# Altium PCB MB1428.PcbDoc (part 7 of 7)
Units mm, origin at the board's own origin, x right, y up, seen from the top; angles counter-clockwise.
Board outline 55.88 x 152.4 mm, 4 copper layers (Top Layer, Signal Layer 1, Signal Layer 2, Bottom Layer), stack 1.614 mm thick; 396 components, 227 nets, 1346 pads, 1469 vias.
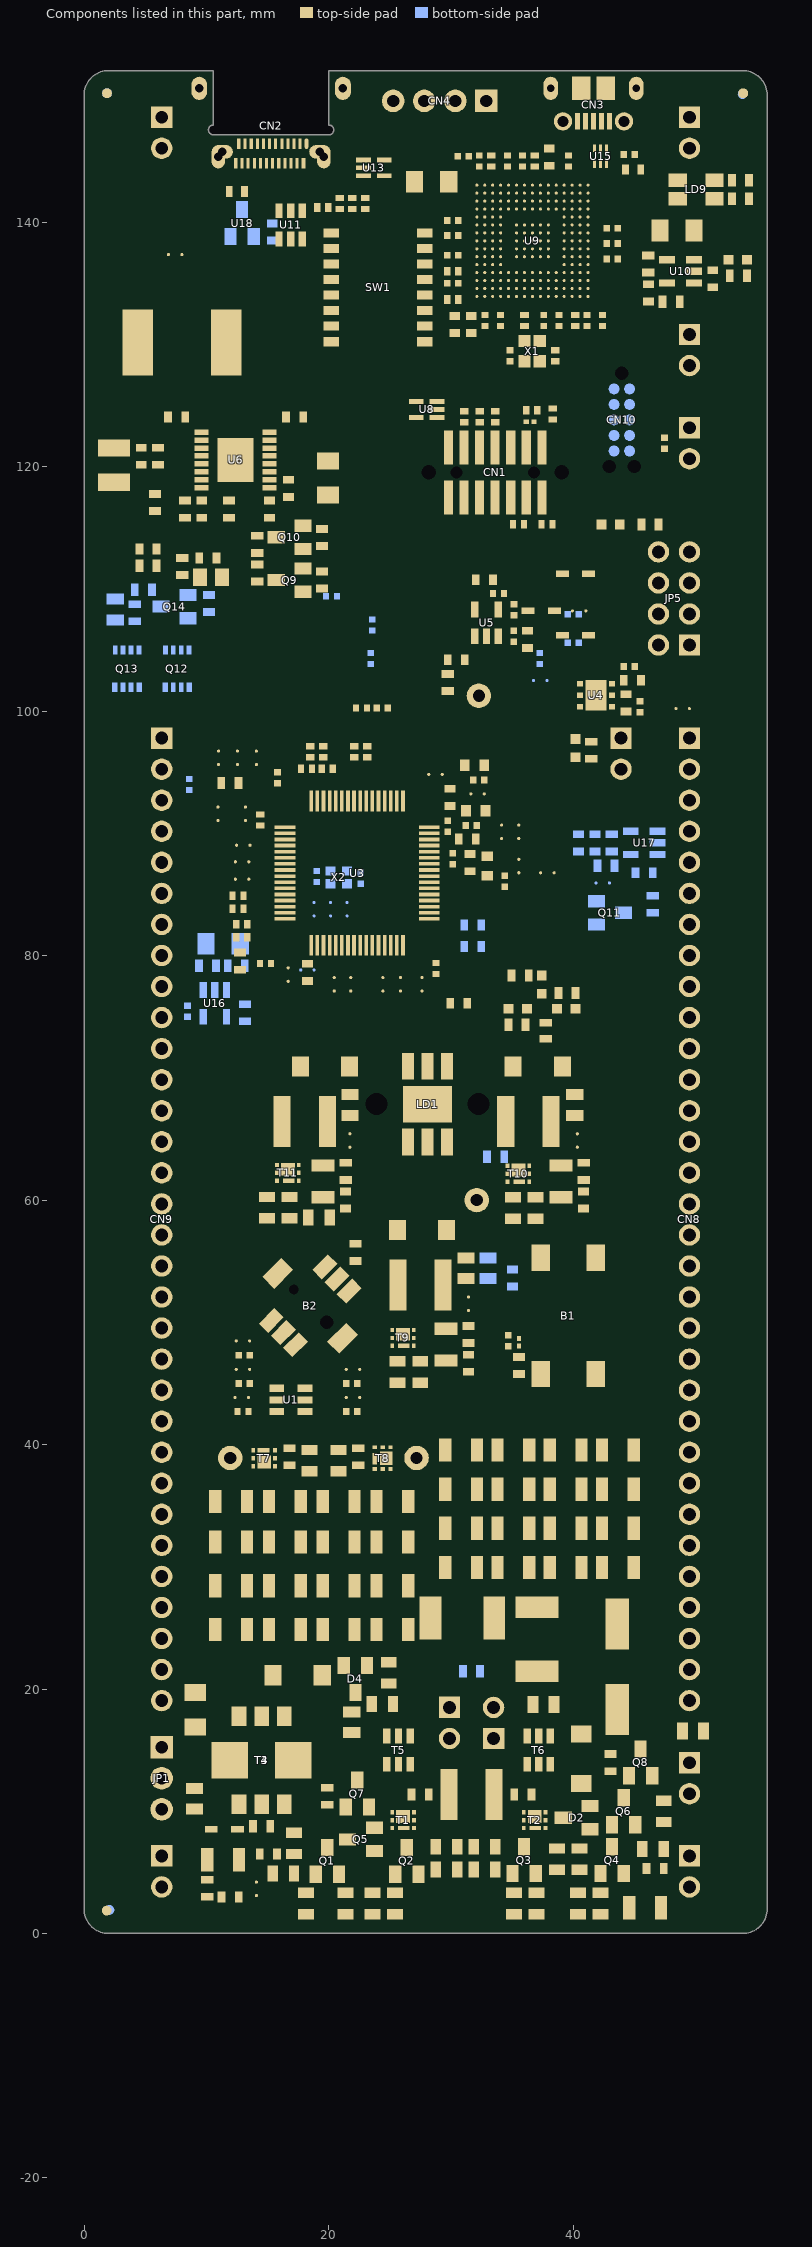
[diagram p9: the components of this part, seen from the top]

## Other copper (continued)
Signal Layer 2:
  text "3" at 6.895,140.09 h2.5
Bottom Layer:
  text "4" at 8.895,140.09 h2.5
Multi-Layer:
  pour cut-out: 1.395,142.34 1.395,139.34 9.895,139.34 9.895,142.34

## Silkscreen, mask and mechanical layers (free items; w line width, h text height)
Top Overlay:
  drawing of 466 lines, arcs and shapes, not listed
  text "3V3_STLK" at 31.8,151.4 h1.2
  text "USB / STLK" at 46.3,150.225 h1.2
  text "CN12" at 4.3,150.2 h1.5
  text "CN11" at 49.575,150.2 h1.5
  text "GND" at 51.325,148.15 h1.5
  text "GND" at 1.9,148.1 h1.5
  text "SWD" at 27.475,147.45 h1.5
  text "USB / TYPE-C" at 21.175,147.275 h1.2
  text "GND" at 51.325,145.675 h1.5
  text "GND" at 1.925,145.575 h1.5
  text "COM" at 51.75,138.85 h1.5
  text "PWREXT" at 10.65,138.675 h1.2
  text "VCCAIN" at 11.15,137.55 h1.2
  text "GNDDET" at 14.65,136.125 h1.2
  text "TVCP_RX" at 14.25,134.9 h1.2
  text "TVCP_TX" at 14.375,133.625 h1.2
  text "OC" at 52.275,132.525 h1.5
  text "TSWO" at 16.025,132.375 h1.2
  text "TSWCLK" at 14.75,131.075 h1.2
  text "TSWIO" at 15.775,129.85 h1.2
  text "TNRST" at 43.125,129.05 h1.5
  text "OFF" at 18.875,127.375 h1.5
  text "H" at 23.625,127.375 h1.5
  text "L" at 23.65,125.95 h1.5
  text "ON" at 19.475,125.775 h1.5
  text "CN10" at 42.35,123.325 h1.5
  text "GND" at 51.325,123 h1.5
  text "STLK" at 51.35,120.575 h1.5
  text "NRST" at 51.35,119.4 h1.5
  text "DEBUG" at 26.825,117.275 h1.5 r90
  text "STDC14" at 26.275,113.7 h1.5
  text "5V" at 43.675,112.825 h1.5
  text "CHGR" at 51.275,112.65 h1.5
  text "USBC" at 51.275,110.15 h1.5
  text "E5V" at 51.25,107.625 h1.5
  text "STLK" at 51.2,105 h1.5
  text "5V_SEL" at 50.375,102.45 h1.5
  text "E" at 1.05,101.65 h15
  text "J" at 11.25,100.775 h19
  text "RC Sinus" at 33.775,100.625 h1.5
  text "MB1428B" at 11.725,99.85 h2.5
  text "CN8" at 50.55,99.525 h1.5
  text "CN9" at 5.025,99.35 h1.5
  text "3V3" at 45.625,97.45 h1.2
  text "5V_I" at 1.75,97.375 h1.5
  text "3V3_O" at 51.3,97.35 h1.5
  text "3V3" at 36.925,96.45 h1.5
  text "GND" at 1.725,94.825 h1.5
  text "VDD" at 45.5,94.825 h1.2
  text "GND" at 51.25,94.725 h1.5
  text "5V_O" at 1.175,92.25 h1.5
  text "VDD" at 51.3,92.25 h1.5
  text "IDD" at 42.85,91.2 h1.5
  text "PA8" at 1.975,89.8 h1.5
  text "AGND" at 51.3,89.725 h1.5
  text "VREF" at 51.25,87.2 h1.5
  text "PA9" at 1.95,87.15 h1.5
  text "PA10" at 1.125,84.7 h1.5
  text "VREFP" at 51.15,84.6 h1.5
  text "AVDD" at 51.2,82.125 h1.5
  text "PA11" at 1.275,82.1 h1.5
  text "PA12" at 1.15,79.6 h1.5
  text "PC9" at 51.175,79.525 h1.5
  text "K" at 39.275,79 h14
  text "PC8" at 51.225,77.075 h1.5
  text "PA13" at 1.075,77 h1.5
  text "PC7" at 51.225,74.45 h1.5
  text "PA14" at 1.125,74.4 h1.5
  text "PC6" at 51.225,71.975 h1.5
  text "PA15" at 1.125,71.95 h1.5
  text "GREEN" at 40.625,70.5 h1.5
  text "BLUE" at 12.975,70.4 h1.5
  text "PB15" at 51.275,69.45 h1.5
  text "PC10" at 1.15,69.425 h1.5
  text "PB14" at 51.25,66.95 h1.5
  text "PC11" at 1.15,66.9 h1.5
  text "PB13" at 51.25,64.4 h1.5
  text "PC12" at 1.15,64.325 h1.5
  text "PB12" at 51.25,61.8 h1.5
  text "PD2" at 1.75,61.775 h1.5
  text "RGB LED" at 24.725,60.325 h1.5
  text "PB3" at 1.775,59.2 h1.5
  text "PB11" at 51.275,59.2 h1.5
  text "PB4" at 1.775,56.725 h1.5
  text "PB10" at 51.25,56.725 h1.5
  text "V_LED" at 30.525,56.325 h1.5
  text "PB2" at 51.25,54.275 h1.5
  text "JOYSTICK" at 8,54.25 h1.5
  text "PB5" at 1.825,54.175 h1.5
  text "PB1" at 51.275,51.75 h1.5
  text "PB6" at 1.9,51.575 h1.5
  text "PB0" at 51.25,49.175 h1.5
  text "PB7" at 1.9,49 h1.5
  text "PC5" at 51.25,46.6 h1.5
  text "PB8" at 1.925,46.475 h1.5
  text "PC4" at 51.25,44.075 h1.5
  text "PB9" at 1.95,43.975 h1.5
  text "RESET" at 37.625,42.8 h1.5
  text "RED" at 29.95,42.575 h1.5
  text "PA7" at 51.275,41.65 h1.5
  text "PC13" at 1.05,41.425 h1.5
  text "PA6" at 51.3,39.075 h1.5
  text "PC14" at 1.1,38.9 h1.5
  text "PC15" at 1.125,36.375 h1.5
  text "PA5" at 51.325,36.375 h1.5
  text "PA4" at 51.325,33.875 h1.5
  text "PF0" at 2.05,33.825 h1.5
  text "PA3" at 51.325,31.275 h1.5
  text "PF1" at 2.025,31.25 h1.5
  text "PA2" at 51.325,28.8 h1.5
  text "PC0" at 1.975,28.725 h1.5
  text "PA1" at 51.325,26.275 h1.5
  text "PC1" at 2.1,26.175 h1.5
  text "PA0" at 51.425,23.7 h1.5
  text "TNRST" at 0.275,23.6 h1.5
  text "PC2" at 1.95,21.125 h1.5
  text "PC3" at 51.4,21.125 h1.5
  text "GND" at 51.275,18.55 h1.5
  text "GND" at 1.65,18.525 h1.5
  text "USBPD" at 0.325,14.75 h1.5
  text "VOUT" at 51.5,13.5 h1.5
  text "VIN" at 2.125,12.25 h1.5
  text "GND" at 51.55,10.9 h1.5
  text "GND" at 1.675,9.625 h1.5
  text "CN7" at 51.225,8.525 h1.5
  text "GND" at 1.525,5.925 h1.5
  text "GND" at 51.3,5.925 h1.5
  text "GND" at 51.3,3.4 h1.5
  text "GND" at 1.675,3.35 h1.5
  text "CN5" at 50.225,1.275 h1.5
  text "CN6" at 5,1.2 h1.5
Bottom Overlay:
  drawing of 288 lines, arcs and shapes, not listed
  text "GND" at 4.475,148.25 h1.5
  text "GND" at 54.175,148.175 h1.5
  text "CN4" at 26.625,147.05 h1.5
  text "GND" at 54.125,145.6 h1.5
  text "CN3" at 42.825,145.575 h1.5
  text "GND" at 4.45,145.55 h1.5
  text "CN2" at 22.1,142.425 h1.5
  text "3V3_STLK" at 32.45,141.675 h1.5 r270
  text "JP7" at 50.8,132.425 h1.5
  text "TNRST" at 55.475,128.925 h1.5
  text "TAG" at 39.525,125.525 h1.5
  text "GND" at 54.175,122.725 h1.5
  text "STLK" at 54.45,120.725 h1.5
  text "NRST" at 54.625,119.45 h1.5
  text "JP6" at 50.8,117.875 h1.5
  text "CN1" at 30.575,115.125 h1.5
  text "CHGR" at 55.225,112.675 h1.5
  text "5V" at 45.1,112.65 h1.5
  text "USBC" at 54.9,110.05 h1.5
  text "E5V" at 54.325,107.4 h1.5
  text "STLK" at 54.75,104.875 h1.5
  text "Double / Switch" at 14.25,104.075 h1.5
  text "JP5" at 45.225,104.05 h1.5
  text "TP4" at 33.5,102.8 h1.5
  text "JP4" at 45.075,99.45 h1.5
  text "RC Sinus" at 35.025,98.65 h1.5
  text "5V_I" at 3.925,97.45 h1.5
  text "3V3" at 42.275,97.45 h1.5
  text "3V3_O" at 55.3,97.375 h1.5
  text "IDD" at 45.85,95.475 h1.5 r270
  text "GND" at 3.95,94.9 h1.5
  text "VDD" at 42.275,94.85 h1.5
  text "GND" at 55.35,94.75 h1.5
  text "5V_O" at 4.5,92.325 h1.5
  text "VDD" at 55.3,92.275 h1.5
  text "PA8" at 3.7,89.875 h1.5
  text "AGND" at 55.3,89.75 h1.5
  text "VREF PWR" at 38.55,88.725 h1.5
  text "PA9" at 3.725,87.225 h1.5
  text "VREF" at 55.35,87.225 h1.5
  text "PA10" at 4.55,84.775 h1.5
  text "VREFP" at 55.45,84.625 h1.5
  text "HSE CLK" at 29.35,83.8 h1.5
  text "PA11" at 4.4,82.175 h1.5
  text "AVDD" at 55.4,82.15 h1.5
  text "PA12" at 4.525,79.675 h1.5
  text "PC9" at 55.425,79.55 h1.5
  text "PC8" at 55.375,77.1 h1.5
  text "PA13" at 4.6,77.075 h1.5
  text "PA14" at 4.55,74.475 h1.5
  text "PC7" at 55.375,74.475 h1.5
  text "PA15" at 4.55,72.025 h1.5
  text "PC6" at 55.375,72 h1.5
  text "USB Detach" at 17.675,71.8 h1.5
  text "PC10" at 4.525,69.5 h1.5
  text "PB15" at 55.325,69.475 h1.5
  text "PC11" at 4.525,66.975 h1.5
  text "PB14" at 55.35,66.975 h1.5
  text "RGB LED" at 31.175,64.9 h1.5
  text "PB13" at 55.35,64.425 h1.5
  text "PC12" at 4.525,64.4 h1.5
  text "PD2" at 3.925,61.85 h1.5
  text "PB12" at 55.35,61.825 h1.5
  text "TP3" at 30.4,59.575 h1.5
  text "PB3" at 3.9,59.275 h1.5
  text "PB11" at 55.325,59.225 h1.5
  text "V_LED" at 34,57.475 h1.5
  text "PB4" at 3.9,56.8 h1.5
  text "PB10" at 55.35,56.75 h1.5
  text "PB2" at 55.35,54.3 h1.5
  text "PB5" at 3.85,54.25 h1.5
  text "PB1" at 55.325,51.775 h1.5
  text "PB6" at 3.775,51.65 h1.5
  text "PB0" at 55.35,49.2 h1.5
  text "PB7" at 3.775,49.075 h1.5
  text "C" at 41.65,46.7 h11
  text "PC5" at 55.35,46.625 h1.5
  text "PB8" at 3.75,46.55 h1.5
  text "I" at 28.65,45.25 h14
  text "PC4" at 55.35,44.1 h1.5
  text "PB9" at 3.725,44.05 h1.5
  text "PA7" at 55.325,41.675 h1.5
  text "PC13" at 4.625,41.5 h1.5
  text "PA6" at 55.3,39.1 h1.5
  text "PC14" at 4.575,38.975 h1.5
  text "TP1" at 15.925,38.525 h1.5
  text "TP2" at 31.325,38.375 h1.5
  text "H" at 44.675,36.85 h20
  text "PC15" at 4.55,36.45 h1.5
  text "PA5" at 55.275,36.4 h1.5
  text "PF0" at 3.625,33.9 h1.5
  text "PA4" at 55.275,33.9 h1.5
  text "PF1" at 3.65,31.325 h1.5
  text "PA3" at 55.275,31.3 h1.5
  text "PA2" at 55.275,28.825 h1.5
  text "PC0" at 3.7,28.8 h1.5
  text "PA1" at 55.275,26.3 h1.5
  text "PC1" at 3.575,26.25 h1.5
  text "PA0" at 55.175,23.725 h1.5
  text "TNRST" at 4.7,23.65 h1.5
  text "PC2" at 3.725,21.2 h1.5
  text "PC3" at 55.2,21.15 h1.5
  text "JP2" at 30.175,20.25 h1.5
  text "JP3" at 35.8,20.175 h1.5
  text "GND" at 4.025,18.6 h1.5
  text "GND" at 55.325,18.575 h1.5
  text "F" at 42.9,16.95 h11
  text "G" at 23.4,16.6 h12
  text "USBPD" at 4.65,14.875 h1.5
  text "IBB" at 28.075,14.825 h1.5
  text "IBB" at 37.4,14.825 h1.5
  text "VOUT" at 55,13.525 h1.5
  text "JP1" at 10.175,12.325 h1.5
  text "VIN" at 4.375,12.25 h1.5
  text "GND" at 54.05,10.875 h1.5
  text "GND" at 4.4,9.725 h1.5
  text "GND" at 4.55,5.9 h1.5
  text "GND" at 54.1,5.825 h1.5
  text "GND" at 4.575,3.375 h1.5
  text "GND" at 54.1,3.275 h1.5
Top Solder:
  rectangle: 1.645,139.59 9.645,142.09
Bottom Solder:
  rectangle: 1.645,139.59 9.645,142.09
M1-Board Shape:
  the board outline again, w0.1
M5-Top Constraints:
  lines w0.2: 64.139,8.469 266.95,8.469 ; 64.139,14.944 64.139,20.194 267.1,20.194 267.1,14.975 ; 64.139,26.654 267.1,26.654 ; 64.139,30.169 266.95,30.169 ; 64.139,36.644 64.139,41.894 267.1,41.894 267.1,36.675 ; 64.164,4.569 266.975,4.569 ; 64.714,39.344 85.675,39.344 ; 64.889,16.694 89.889,16.694 ; 84.639,1.125 84.639,14.969 ; 84.639,23.129 84.639,36.669 ; 105.139,1.125 105.139,14.969 ; 105.139,23.129 105.139,36.669 ; 125.639,1.125 125.639,14.969 ; 125.639,23.129 125.639,36.669 ; 146.139,1.125 146.139,14.969 ; 146.139,23.129 146.139,36.669 ; 171.4,1.15 171.4,14.969 146.139,14.969 ; 171.4,23.129 171.4,36.669 146.139,36.669 ; 196.65,1.1 196.65,14.969 171.389,14.969 ; 196.65,23.129 196.65,36.669 171.389,36.669 ; 221.925,14.969 196.664,14.969 ; 221.925,36.669 196.664,36.669 ; 221.939,1.125 221.939,14.969 238.939,14.969 ; 221.939,23.129 221.939,36.669 238.939,36.669 ; 238.939,1.1 238.939,14.969 ; 238.939,23.129 238.939,36.669 ; 255.939,1.075 255.939,14.969 ; 255.939,23.129 255.939,36.669 ; 84.639,14.969 105.139,14.969 ; 84.639,14.969 64.139,14.969 64.139,1.05 267.1,1.05 267.1,14.969 255.939,14.969 ; 84.639,36.669 105.139,36.669 ; 84.639,36.669 64.139,36.669 64.139,23.129 267.1,23.129 267.1,36.669 255.939,36.669 ; 105.139,14.969 105.139,14.969 ; 105.139,14.969 125.639,14.969 ; 105.139,36.669 105.139,36.669 ; 105.139,36.669 125.639,36.669 ; 125.639,14.969 146.139,14.969 ; 125.639,14.969 125.639,14.969 ; 125.639,36.669 146.139,36.669 ; 125.639,36.669 125.639,36.669 ; 146.139,14.969 146.139,14.969 ; 146.139,36.669 146.139,36.669 ; 171.389,14.969 171.389,14.969 ; 171.389,36.669 171.389,36.669 ; 196.664,14.969 196.664,14.969 ; 196.664,36.669 196.664,36.669 ; 238.939,14.969 255.939,14.969 ; 238.939,36.669 255.939,36.669
  text "IMPEDANCE TABLE    PIOxx & Others (MCO & NetR112_1 & NetR113_1 & NetR122_2 & NetSB23_2 & NetSB24_2 & PAxx & PBxx & PCxx & PDxx & PFxx & STLK_MCO & STLK_SWCLK &  /                                        STLK_SWDIO & STLK_VCP_RX & STLK_VCP_TX & T_NRST & T_SWCLK & T_SWCLKa & T_SWDIO & T_SWDIOa & T_SWOa & T_VCP_RX & T_VCP_TX)" at 64.7,36.925 h2.5
  text "IMPEDANCE" at 222.689,33.919 h3
  text "IMPEDANCE" at 239.689,33.919 h3
  text "LAYER" at 69.875,33.9 h3
  text "LAYER" at 90.375,33.9 h3
  text "TRACE" at 110.875,33.9 h3
  text "TOL." at 258.439,33.886 h3
  text "NET" at 133.025,33.775 h3
  text "SPACING" at 152.525,33.775 h3
  text "SPACING" at 177.775,33.775 h3
  text "SPACING" at 203.05,33.775 h3
  text "(Single ended)" at 223.189,31.169 h2.5
  text "(Differential)" at 240.939,31.169 h2.5
  text "\"GND mm\"" at 202.525,30.925 h3
  text "\"Ref GND\"" at 88.225,30.875 h3
  text "\"Width mm\"" at 108.725,30.875 h3
  text "\"Others Net mm\"" at 174.1,30.85 h3
  text "\"Routing\"" at 68.45,30.775 h3
  text "\"Intra Diff. Pair mm\"" at 147.125,30.775 h3
  text "\"Lenght mm\"" at 128.1,30.6 h3
  text "L2 (Sig_Lay1)" at 86.45,27.625 h3
  text "L1 (Top_Lay)" at 66.5,27.575 h3
  text "0.212 Min." at 177.9,27.475 h3
  text "0.120" at 111.6,27.45 h3
  text "n/a" at 156.7,27.425 h3
  text "Minimum" at 130.6,27.4 h3
  text "n/a" at 245.6,27.4 h3
  text "+/- 10%" at 256.875,27.4 h3
  text "55 Ohms" at 224.55,27.375 h3
  text "0.212 Min." at 202.95,27.325 h3
  text "L3 (Sig_Lay2)" at 86.45,24.1 h3
  text "L4 (Bot_Lay)" at 66.5,24.05 h3
  text "0.212 Min." at 177.9,23.95 h3
  text "0.120" at 111.6,23.925 h3
  text "n/a" at 156.7,23.9 h3
  text "Minimum" at 130.6,23.875 h3
  text "n/a" at 245.6,23.875 h3
  text "+/- 10%" at 256.875,23.875 h3
  text "55 Ohms" at 224.55,23.85 h3
  text "0.212 Min." at 202.95,23.8 h3
  text "IMPEDANCE TABLE    USB  (D & USBPDFS_D & USB_DEV_HS_CN & USB_DEV_HS )" at 64.889,17.194 h3
  text "LAYER" at 69.875,12.2 h3
  text "LAYER" at 90.375,12.2 h3
  text "TRACE" at 110.875,12.2 h3
  text "IMPEDANCE" at 222.689,12.219 h3
  text "IMPEDANCE" at 239.689,12.219 h3
  text "TOL." at 258.439,12.186 h3
  text "NET" at 133.025,12.075 h3
  text "SPACING" at 152.525,12.075 h3
  text "SPACING" at 177.775,12.075 h3
  text "SPACING" at 203.05,12.075 h3
  text "(Single ended)" at 223.189,9.469 h2.5
  text "(Differential)" at 240.939,9.469 h2.5
  text "\"GND mm\"" at 202.525,9.225 h3
  text "\"Ref GND\"" at 88.225,9.175 h3
  text "\"Width mm\"" at 108.725,9.175 h3
  text "\"Others Net mm\"" at 174.1,9.15 h3
  text "\"Routing\"" at 68.45,9.075 h3
  text "\"Intra Diff. Pair mm\"" at 147.125,9.075 h3
  text "\"Lenght mm\"" at 128.1,8.9 h3
  text "L1 (Top_Lay)" at 66.675,5.65 h3
  text "L2 (Sig_Lay1)" at 86.5,5.6 h3
  text "0.160" at 111.475,5.575 h3
  text "90 Ohms" at 242.15,5.5 h3
  text "+/- 10%" at 256.969,5.504 h3
  text "0.226 Min." at 177.875,5.45 h3
  text "0.452 Min." at 203.425,5.425 h3
  text "n/a" at 228.575,5.375 h3
  text "Minimum" at 131.2,5.35 h3
  text "0.226" at 155.775,5.35 h3
  text "L4 (Bot_Lay)" at 66.625,2 h3
  text "L3 (Sig_Lay2)" at 86.475,1.9 h3
  text "+/- 10%" at 256.969,1.854 h3
  text "0.160" at 111.475,1.825 h3
  text "90 Ohms" at 242.2,1.825 h3
  text "0.226 Min." at 177.875,1.8 h3
  text "0.452 Min." at 203.425,1.775 h3
  text "n/a" at 228.575,1.725 h3
  text "Minimum" at 131.2,1.7 h3
  text "0.226" at 155.775,1.7 h3
Drill Drawing:
  drawing of 458 lines, arcs and shapes, not listed
  text "THE COMPONENTS WITH PLATED THROUGH HOLE (PTH) MAY BE WELDED (CABLED) IN \"PIN-IN-PASTE\" MODE (IF NECESSARY)" at -22.375,202.475 h5
  text "PCB SPECIFICATIONS :" at -15.405,197.305 h3
  text "PCB : TYPE 3" at 132.351,196.903 h3
  text "A.   MATERIAL :" at -15.405,193.305 h3
  text "FR-4" at 23.095,193.305 h3
  text "X  TG-170" at 39.595,193.305 h3
  text "TG-150" at 57.845,193.305 h3
  text "TG-140" at 73.845,193.305 h3
  text "ASPECT-RATIO, AXE Z :" at 132.351,191.403 h3
  text "B.   MATERIAL FAMILY :" at -15.405,190.305 h3
  text "N/A" at 23.095,190.305 h3
  text "C.   SOLDERMASK COLOR :" at -15.405,187.305 h3
  text "GREEN" at 23.095,187.305 h3
  text "WHITE" at 39.595,187.305 h3
  text "RED" at 57.845,187.305 h3
  text "X  BLUE" at 73.845,187.305 h3
  text "6:1 to 8:1 / LEVEL \"B\"" at 132.37,184.655 h3
  text "D.   SILKSCREEN COLOR :" at -15.405,184.305 h3
  text "X  WHITE" at 23.095,184.305 h3
  text "YELLOW" at 39.595,184.305 h3
  text "BLACK" at 57.845,184.305 h3
  text "Blue ink PANTONE 2955" at 73.845,184.305 h3
  text "E.   SURFACE FINISH :" at -15.405,181.305 h3
  text "X  ENIG" at 23.095,181.305 h3
  text "IMMERSION SILVER" at 39.595,181.305 h3
  text "IMMERSION TIN" at 73.845,181.305 h3
  text "HASL" at 23.095,178.305 h3
  text "HASL (PB-FREE)" at 39.595,178.305 h3
  text "GOLDEN FINGER" at 73.845,178.305 h3
  text "MINIMUM PARAMETERS" at 132.37,177.555 h3
  text "F.   IMPEDANCE CONTROL :" at -15.405,175.305 h3
  text "NO" at 23.095,175.305 h3
  text "X  YES  (SEE IMPEDANCE TABLE FOR DETAIL INFORMATION)" at 39.595,175.305 h3
  text "G.   THROUGH VIA :" at -15.405,172.305 h3
  text "PLUG THE VIAS WHICH ARE COVERED WITH SOLDERMASK ONE OR TWO SIDE." at 23.095,172.305 h3
  text "DEFAULT" at 132.37,172.055 h3
  text "PLUG MATERIAL :" at 23.095,169.305 h3
  text "X  SOLDERMASK" at 48.595,169.305 h3
  text "NON-CONDUCTIVE EPOXY." at 73.845,169.305 h3
  text "H.   STACK-UP :" at -15.405,166.305 h3
  text "SEE LAYER STACK-UP SEQUENCE FOR OVERALL THICKNESS." at 23.095,166.305 h3
  text "TRACKS : 0.120mm           / GAPS : 0.120mm" at 132.37,166.305 h3
  text "Layer" at 67.268,142.4 h2.5
  text "Name" at 77.733,142.4 h2.5
  text "Material" at 97.975,142.4 h2.5
  text "Thickness" at 116.164,142.4 h2.5
  text "Constant" at 131.105,142.4 h2.5
  text "Board Layer Stack" at 144.933,142.4 h2.5
  text "1" at 67.268,137.4 h2.5
  text "Top Overlay" at 77.733,137.4 h2.5
  text "2" at 67.268,132.4 h2.5
  text "Top Solder" at 77.733,132.4 h2.5
  text "Solder Resist" at 97.975,132.4 h2.5
  text "0,015mm" at 116.164,132.4 h2.5
  text "3,5" at 131.105,132.4 h2.5
  text "3" at 67.268,127.4 h2.5
  text "Top Layer" at 77.733,127.4 h2.5
  text "Copper" at 97.975,127.4 h2.5
  text "0,042mm" at 116.164,127.4 h2.5
  text "4" at 67.268,122.4 h2.5
  text "Dielectric 1" at 77.733,122.4 h2.5
  text "PP-IT-180A" at 97.975,122.4 h2.5
  text "0,106mm" at 116.164,122.4 h2.5
  text "4,2" at 131.105,122.4 h2.5
  text "5" at 67.268,117.4 h2.5
  text "Signal Layer 1" at 77.733,117.4 h2.5
  text "Copper" at 97.975,117.4 h2.5
  text "0,035mm" at 116.164,117.4 h2.5
  text "6" at 67.268,112.4 h2.5
  text "Dielectric 2" at 77.733,112.4 h2.5
  text "FR4" at 97.975,112.4 h2.5
  text "1,248mm" at 116.164,112.4 h2.5
  text "4,2" at 131.105,112.4 h2.5
  text "7" at 67.268,107.4 h2.5
  text "Signal Layer 2" at 77.733,107.4 h2.5
  text "Copper" at 97.975,107.4 h2.5
  text "0,035mm" at 116.164,107.4 h2.5
  text "8" at 67.268,102.4 h2.5
  text "Dielectric 3" at 77.733,102.4 h2.5
  text "PP-IT-180A" at 97.975,102.4 h2.5
  text "0,106mm" at 116.164,102.4 h2.5
  text "4,2" at 131.105,102.4 h2.5
  text "9" at 67.268,97.4 h2.5
  text "Bottom Layer" at 77.733,97.4 h2.5
  text "Copper" at 97.975,97.4 h2.5
  text "0,042mm" at 116.164,97.4 h2.5
  text "10" at 67.268,92.4 h2.5
  text "Bottom Solder" at 77.733,92.4 h2.5
  text "Solder Resist" at 97.975,92.4 h2.5
  text "0,015mm" at 116.164,92.4 h2.5
  text "3,5" at 131.105,92.4 h2.5
  text "11" at 67.268,87.4 h2.5
  text "Bottom Overlay" at 77.733,87.4 h2.5
  text "Symbol" at 67.163,76.315 h3
  text "Count" at 78.915,76.315 h3
  text "Hole Size" at 92.2,76.315 h3
  text "Plated" at 115.04,76.315 h3
  text "Hole Type" at 125.356,76.315 h3
  text "Drill Layer Pair" at 140.375,76.315 h3
  text "Via/Pad" at 168.843,76.315 h3
  text "Hole Length" at 181.149,76.315 h3
  text "Routed Path Length" at 205.232,76.315 h3
  text "1469" at 78.915,71.137 h2.5
  text "0,200mm (7,87mil)" at 92.2,71.137 h2.5
  text "PTH" at 115.04,71.137 h2.5
  text "Round" at 125.356,71.137 h2.5
  text "Top Layer - Bottom Layer" at 140.375,71.137 h2.5
  text "Via" at 168.843,71.137 h2.5
  text "-" at 181.149,71.137 h2.5
  text "-" at 205.232,71.137 h2.5
  text "2" at 78.915,65.96 h2.5
  text "0,600mm (23,62mil)" at 92.2,65.96 h2.5
  text "PTH" at 115.04,65.96 h2.5
  text "Slot" at 125.356,65.96 h2.5
  text "Top Layer - Bottom Layer" at 140.375,65.96 h2.5
  text "Pad" at 168.843,65.96 h2.5
  text "1,300mm (51,18mil)" at 181.149,65.96 h2.5
  text "0,700mm (27,56mil)" at 205.232,65.96 h2.5
  text "2" at 78.915,60.782 h2.5
  text "0,700mm (27,56mil)" at 92.2,60.782 h2.5
  text "PTH" at 115.04,60.782 h2.5
  text "Slot" at 125.356,60.782 h2.5
  text "Top Layer - Bottom Layer" at 140.375,60.782 h2.5
  text "Pad" at 168.843,60.782 h2.5
  text "1,300mm (51,18mil)" at 181.149,60.782 h2.5
  text "0,600mm (23,62mil)" at 205.232,60.782 h2.5
  text "2" at 78.915,55.605 h2.5
  text "0,700mm (27,56mil)" at 92.2,55.605 h2.5
  text "PTH" at 115.04,55.605 h2.5
  text "Slot" at 125.356,55.605 h2.5
  text "Top Layer - Bottom Layer" at 140.375,55.605 h2.5
  text "Pad" at 168.843,55.605 h2.5
  text "1,350mm (53,15mil)" at 181.149,55.605 h2.5
  text "0,650mm (25,59mil)" at 205.232,55.605 h2.5
  text "2" at 78.915,50.427 h2.5
  text "0,700mm (27,56mil)" at 92.2,50.427 h2.5
  text "PTH" at 115.04,50.427 h2.5
  text "Slot" at 125.356,50.427 h2.5
  text "Top Layer - Bottom Layer" at 140.375,50.427 h2.5
  text "Pad" at 168.843,50.427 h2.5
  text "1,500mm (59,06mil)" at 181.149,50.427 h2.5
  text "0,800mm (31,50mil)" at 205.232,50.427 h2.5
  text "1" at 78.915,45.25 h2.5
  text "0,800mm (31,50mil)" at 92.2,45.25 h2.5
  text "NPTH" at 115.04,45.25 h2.5
  text "Round" at 125.356,45.25 h2.5
  text "Top Layer - Bottom Layer" at 140.375,45.25 h2.5
  text "Pad" at 168.843,45.25 h2.5
  text "-" at 181.149,45.25 h2.5
  text "-" at 205.232,45.25 h2.5
  text "2" at 78.915,40.073 h2.5
  text "0,900mm (35,43mil)" at 92.2,40.073 h2.5
  text "PTH" at 115.04,40.073 h2.5
  text "Round" at 125.356,40.073 h2.5
  text "Top Layer - Bottom Layer" at 140.375,40.073 h2.5
  text "Pad" at 168.843,40.073 h2.5
  text "-" at 181.149,40.073 h2.5
  text "-" at 205.232,40.073 h2.5
  text "2" at 78.915,34.895 h2.5
  text "0,970mm (38,19mil)" at 92.2,34.895 h2.5
  text "NPTH" at 115.04,34.895 h2.5
  text "Round" at 125.356,34.895 h2.5
  text "Top Layer - Bottom Layer" at 140.375,34.895 h2.5
  text "Pad" at 168.843,34.895 h2.5
  text "-" at 181.149,34.895 h2.5
  text "-" at 205.232,34.895 h2.5
  text "11" at 78.915,29.718 h2.5
  text "1,000mm (39,37mil)" at 92.2,29.718 h2.5
  text "PTH" at 115.04,29.718 h2.5
  text "Round" at 125.356,29.718 h2.5
  text "Top Layer - Bottom Layer" at 140.375,29.718 h2.5
  text "Pad" at 168.843,29.718 h2.5
  text "-" at 181.149,29.718 h2.5
  text "-" at 205.232,29.718 h2.5
  text "92" at 78.915,24.54 h2.5
  text "1,050mm (41,34mil)" at 92.2,24.54 h2.5
  text "PTH" at 115.04,24.54 h2.5
  text "Round" at 125.356,24.54 h2.5
  text "Top Layer - Bottom Layer" at 140.375,24.54 h2.5
  text "Pad" at 168.843,24.54 h2.5
  text "-" at 181.149,24.54 h2.5
  text "-" at 205.232,24.54 h2.5
  text "4" at 78.915,19.363 h2.5
  text "1,100mm (43,31mil)" at 92.2,19.363 h2.5
  text "NPTH" at 115.04,19.363 h2.5
  text "Round" at 125.356,19.363 h2.5
  text "Top Layer - Bottom Layer" at 140.375,19.363 h2.5
  text "Pad" at 168.843,19.363 h2.5
  text "-" at 181.149,19.363 h2.5
  text "-" at 205.232,19.363 h2.5
  text "2" at 78.915,14.185 h2.5
  text "1,190mm (46,85mil)" at 92.2,14.185 h2.5
  text "NPTH" at 115.04,14.185 h2.5
  text "Round" at 125.356,14.185 h2.5
  text "Top Layer - Bottom Layer" at 140.375,14.185 h2.5
  text "Pad" at 168.843,14.185 h2.5
  text "-" at 181.149,14.185 h2.5
  text "-" at 205.232,14.185 h2.5
  text "2" at 78.915,9.008 h2.5
  text "1,800mm (70,87mil)" at 92.2,9.008 h2.5
  text "NPTH" at 115.04,9.008 h2.5
  text "Slot" at 125.356,9.008 h2.5
  text "Top Layer - Bottom Layer" at 140.375,9.008 h2.5
  text "Pad" at 168.843,9.008 h2.5
  text "3,800mm (149,61mil)" at 181.149,9.008 h2.5
  text "2,000mm (78,74mil)" at 205.232,9.008 h2.5
  text "1593 Total" at 78.915,3.831 h2.5
  text "Slot definitions :" at 67.163,0.206 h2.5
  text "Routed Path Length" at 84.224,0.206 h2.5
  text "= Calculated from tool start centre position to tool end centre position." at 105.36,0.206 h2.5
  text "Hole Length" at 84.224,-1.865 h2.5
  text "= Routed Path Length + Tool Size = Slot length as defined in the PCB layout" at 97.514,-1.865 h2.5

## Dimensions
0,150.4 to 55.88,150.4 on M2-Board Dimensions
20.025,152.4 to 2,0 on M2-Board Dimensions

## Text inside footprints (layer, text, board x,y; h text height)
B2: Top Overlay "1" at 14.682,48.804 h1.5 r45; M14-Top Assembly "6" at 21.894,52.092 h1.5 r45; M14-Top Assembly "5" at 20.904,53.082 h1.5 r45; M14-Top Assembly "4" at 19.897,54.055 h1.5 r45; M14-Top Assembly "3" at 17.369,47.567 h1.5 r45; M14-Top Assembly "2" at 16.379,48.557 h1.5 r45; M14-Top Assembly "1" at 15.477,49.6 h1.5 r45; M14-Top Assembly "8" at 21.075,48.2 h1.5 r315; M14-Top Assembly "7" at 15,54.425 h1.5 r315
CART-1: M20-Top Sheet Box "R" at 68.496,-21.533 h1.52; M20-Top Sheet Box "Rev: '.Board_PCB_Revision'" at 23.059,-24.05 h3; M20-Top Sheet Box "Ref: '.Board_Reference'" at 23.116,-19.05 h3; M20-Top Sheet Box "Date: '.Board_Document_Date'" at -17,-24.05 h3; M20-Top Sheet Box "Gerber:" at 22.989,-14.05 h3; M20-Top Sheet Box "Variant: '.VariantName'" at -17,-19.05 h3; M20-Top Sheet Box "Layer:" at -17,-14.05 h3; M20-Top Sheet Box "Project: '.Board_Name'" at -17,-8.966 h3; M21-Bottom Sheet Box "Date: '.Board_Document_Date'" at 70.806,-24.05 h3; M21-Bottom Sheet Box "Layer:" at 70.806,-14.05 h3; M21-Bottom Sheet Box "Variant: '.VariantName'" at 70.806,-19.05 h3; M21-Bottom Sheet Box "Project: '.Board_Name'" at 70.806,-8.966 h3; M21-Bottom Sheet Box "Rev: '.Board_PCB_Revision'" at 30.874,-24.05 h3; M21-Bottom Sheet Box "Ref: '.Board_Reference'" at 30.817,-19.05 h3; M21-Bottom Sheet Box "R" at -14.309,-21.533 h1.52; M21-Bottom Sheet Box "Gerber:" at 30.817,-14.05 h3
CN1: Top Overlay "14" at 38.035,122.075 h1.5; Top Overlay "13" at 38.035,116.025 h1.5; Top Overlay "2" at 28.61,122.05 h1.5; Top Overlay "1" at 28.91,116 h1.5; M14-Top Assembly "2" at 29.585,122.05 h1; M14-Top Assembly "14" at 37.01,122.025 h1; M14-Top Assembly "13" at 36.985,116.375 h1; M14-Top Assembly "1" at 29.685,116.325 h1
CN2: Top Overlay "B1" at 9.05,146.125 h1.3; Top Overlay "A1" at 17.05,143.35 h1.3; M14-Top Assembly "A12" at 12.125,144.65 h0.75; M14-Top Assembly "A1" at 18,144.7 h0.75; M14-Top Assembly "B1" at 12.25,146.175 h0.75; M14-Top Assembly "B12" at 17.475,146.3 h0.75; M7-Top Info "EDGE" at 9.225,153.175 h1 r180; M7-Top Info "PCB" at 23.8,153.175 h1 r180; Keep-Out Layer "BOARD  / OUTLINE / CUT OUT" at 17.175,151.3 h1 r180
CN3: Top Overlay "1" at 45.85,147.75 h1.5; M14-Top Assembly "1" at 42.75,147.9 h1.5; M14-Top Assembly "5" at 40.05,147.8 h1.5; M7-Top Info "EDGE" at 37.325,153.1 h1 r180; M7-Top Info "PCB" at 47.925,153.125 h1 r180
CN4: Top Overlay "1" at 34.5,149.6 h1.5; M14-Top Assembly "1" at 32.75,149.475 h1.5; M14-Top Assembly "4" at 25,149.525 h1.5
CN5: Bottom Overlay "1" at 47.95,5.85 h1.5; M15-Bottom Assembly "2" at 49.3,3.55 h1.5 r270; M15-Bottom Assembly "1" at 49.225,6.175 h1.5 r270
CN6: Bottom Overlay "1" at 8.3,5.825 h1.5; M15-Bottom Assembly "2" at 5.85,3.5 h1.5 r270; M15-Bottom Assembly "1" at 5.875,6.2 h1.5 r270
CN7: Bottom Overlay "1" at 47.925,13.5 h1.5; M15-Bottom Assembly "2" at 49.225,11.15 h1.5 r270; M15-Bottom Assembly "1" at 49.175,13.8 h1.5 r270
CN8: Bottom Overlay "1" at 47.9,97.3 h1.5; M15-Bottom Assembly "32" at 50.005,19.72 h1.5 r90; M15-Bottom Assembly "1" at 50.005,98.045 h1.5 r90
CN9: Bottom Overlay "1" at 8.35,97.35 h1.5; M15-Bottom Assembly "32" at 6.825,19.72 h1.5 r90; M15-Bottom Assembly "1" at 6.825,98.045 h1.5 r90
CN10: M15-Bottom Assembly "2" at 44.922,125.304 h1 r90; M15-Bottom Assembly "3" at 44.922,124.034 h1 r90; M15-Bottom Assembly "4" at 44.945,122.825 h1 r90; M15-Bottom Assembly "5" at 44.97,121.475 h1 r90; M15-Bottom Assembly "6" at 43.677,121.444 h1 r90; M15-Bottom Assembly "7" at 43.677,122.714 h1 r90; M15-Bottom Assembly "8" at 43.652,124.034 h1 r90; M15-Bottom Assembly "9" at 43.652,125.304 h1 r90; M15-Bottom Assembly "10" at 43.677,126.841 h1 r90; M15-Bottom Assembly "1" at 44.947,126.524 h1 r90
CN11: Bottom Overlay "1" at 47.925,148.075 h1.5; M15-Bottom Assembly "2" at 49.125,145.9 h1.5 r270; M15-Bottom Assembly "1" at 48.975,148.325 h1.5 r270
CN12: Bottom Overlay "1" at 8.25,148.05 h1.5; M15-Bottom Assembly "2" at 5.65,145.775 h1.5 r270; M15-Bottom Assembly "1" at 5.9,148.4 h1.5 r270
D1: M14-Top Assembly "K" at 9.925,7.65 h0.75
D2: M14-Top Assembly "3" at 39.35,9.325 h0.7 r90; M14-Top Assembly "2" at 41.725,10.275 h0.7 r90; M14-Top Assembly "1" at 41.725,8.425 h0.7 r90
D3: Top Overlay "K" at 39.725,16.825 h1.2 r90; M14-Top Assembly "A" at 40.9,12.225 h1 r90; M14-Top Assembly "K" at 40.925,16 h1 r90
D4: M14-Top Assembly "3" at 22.075,19.425 h0.7; M14-Top Assembly "2" at 21.1,21.775 h0.7; M14-Top Assembly "1" at 23.075,21.775 h0.7
D5: Top Overlay "K" at 14.425,19.425 h1.2; M14-Top Assembly "A" at 19.025,20.8 h1; M14-Top Assembly "K" at 15.375,20.8 h1
D6: Top Overlay "K" at 30.15,58.625 h1.2; M14-Top Assembly "A" at 25.5,57.275 h1; M14-Top Assembly "K" at 29.25,57.325 h1
D7: Top Overlay "K" at 22.2,71.95 h1.2; M14-Top Assembly "A" at 17.55,70.75 h1; M14-Top Assembly "K" at 21.3,70.625 h1
D8: Top Overlay "K" at 39.6,71.95 h1.2; M14-Top Assembly "A" at 35.05,70.65 h1; M14-Top Assembly "K" at 38.7,70.675 h1
D9: M14-Top Assembly "K" at 38.425,105.85 h1.2
D10: M14-Top Assembly "K" at 35.775,107.8 h1.2
D11: M14-Top Assembly "K" at 38.4,110.85 h1.2
JP1: Top Overlay "1" at 7.875,14.7 h1.5; M14-Top Assembly "1" at 5.85,15.43 h1.5 r270
JP2: Top Overlay "1" at 27.95,18 h1.5; M14-Top Assembly "1" at 30.5,18.4 h1.5 r90; M14-Top Assembly "2" at 30.225,15.75 h1.5 r90
JP3: Top Overlay "1" at 31.575,15.35 h1.5; M14-Top Assembly "1" at 34.008,15.701 h1.5 r90; M14-Top Assembly "2" at 34.008,18.177 h1.5 r90
JP4: Top Overlay "1" at 41.925,98.05 h1.5; M14-Top Assembly "1" at 44.375,97.65 h1.5 r90; M14-Top Assembly "2" at 44.45,95.025 h1.5 r90
JP5: Top Overlay "2" at 47.41,103.22 h1.5 r90; Top Overlay "1" at 50.01,103.47 h1.5 r90; M14-Top Assembly "7" at 50,112.713 h1.5 r90; M14-Top Assembly "8" at 47.473,112.713 h1.5 r90; M14-Top Assembly "2" at 47.485,105.08 h1.5 r90; M14-Top Assembly "1" at 50.038,105.156 h1.5 r90
JP6: Top Overlay "1" at 47.55,122.95 h1.5; M14-Top Assembly "1" at 49.95,122.95 h1.5 r90; M14-Top Assembly "2" at 49.975,120.45 h1.5 r90
JP7: Top Overlay "1" at 51.125,130.375 h1.5; M14-Top Assembly "1" at 49.875,130.725 h1.5 r90; M14-Top Assembly "2" at 49.9,127.95 h1.5 r90
LD1: M14-Top Assembly "1" at 26.4,65.45 h0.4; M14-Top Assembly "2" at 28,65.45 h0.4; M14-Top Assembly "3" at 29.65,65.45 h0.4; M14-Top Assembly "4" at 29.6,69.95 h0.4; M14-Top Assembly "5" at 28.025,69.95 h0.4; M14-Top Assembly "6" at 26.4,69.975 h0.4; M14-Top Assembly "7" at 28,67.7 h0.4
LD2: M14-Top Assembly "K" at 37.6,74.475 h0.4 r90; M14-Top Assembly "K" at 38.2,74.475 h0.4 r90
LD3: M14-Top Assembly "K" at 36.275,75.45 h0.75
LD4: M14-Top Assembly "K" at 38.175,75.425 h0.75
LD5: M14-Top Assembly "K" at 37.7,76.35 h0.75 r90
LD6: M14-Top Assembly "K" at 40.4,97.775 h0.75 r90
LD7: M14-Top Assembly "K" at 41.725,115.075 h0.75
LD8: M14-Top Assembly "K" at 52.225,136.7 h0.75
LD9: Top Overlay "R" at 49.6,143.75 h1.5 r270; Top Overlay "1" at 48.625,144.175 h1.5 r90; Top Overlay "G" at 49.6,142.425 h1.5 r270; M14-Top Assembly "C2" at 51,142.775 h0.75 r270; M14-Top Assembly "R" at 49.608,143.837 h1.5 r270; M14-Top Assembly "C1" at 48.15,144.15 h0.75 r270; M14-Top Assembly "G" at 49.6,142.35 h1.5 r270; M14-Top Assembly "A2" at 48.17,142.725 h0.75 r270; M14-Top Assembly "A1" at 51.025,144.175 h0.75 r270
Q12: Bottom Overlay "1" at 5.95,104.775 h1.3; M15-Bottom Assembly "8" at 6.75,102.1 h0.5; M15-Bottom Assembly "7" at 7.425,102.1 h0.5; M15-Bottom Assembly "6" at 8.025,102.1 h0.5; M15-Bottom Assembly "5" at 8.675,102.1 h0.5; M15-Bottom Assembly "4" at 8.725,104.575 h0.5; M15-Bottom Assembly "3" at 8.025,104.575 h0.5; M15-Bottom Assembly "2" at 7.4,104.55 h0.5; M15-Bottom Assembly "1" at 6.7,104.55 h0.5
Q13: Bottom Overlay "1" at 1.8,104.8 h1.3; M15-Bottom Assembly "8" at 2.625,102.1 h0.5; M15-Bottom Assembly "7" at 3.275,102.1 h0.5; M15-Bottom Assembly "6" at 3.975,102.1 h0.5; M15-Bottom Assembly "5" at 4.6,102.1 h0.5; M15-Bottom Assembly "4" at 4.6,104.525 h0.5; M15-Bottom Assembly "3" at 3.975,104.55 h0.5; M15-Bottom Assembly "2" at 3.3,104.55 h0.5; M15-Bottom Assembly "1" at 2.6,104.55 h0.5
SW1: Top Overlay "8" at 20.4,128.95 h1.5 r90; Top Overlay "8" at 23.4,129.95 h1.5 r90; Top Overlay "7" at 23.425,131.25 h1.5 r90; Top Overlay "6" at 23.375,132.475 h1.5 r90; Top Overlay "5" at 23.325,133.75 h1.5 r90; Top Overlay "1" at 23.275,138.925 h1.5 r90; Top Overlay "2" at 23.3,137.6 h1.5 r90; Top Overlay "3" at 23.275,136.325 h1.5 r90; Top Overlay "4" at 23.275,135 h1.5 r90; Top Overlay "1" at 20.475,139.875 h1.5 r90; M14-Top Assembly "5" at 23.25,133.7 h1.5 r90; M14-Top Assembly "6" at 23.2,132.475 h1.5 r90; M14-Top Assembly "7" at 23.225,131.25 h1.5 r90; M14-Top Assembly "8" at 23.2,129.975 h1.5 r90; M14-Top Assembly "4" at 23.2,135.025 h1.5 r90; M14-Top Assembly "3" at 23.25,136.35 h1.5 r90; M14-Top Assembly "2" at 23.2,137.575 h1.5 r90; M14-Top Assembly "1" at 23.25,138.9 h1.5 r90
T1: M14-Top Assembly "8" at 25.963,9.65 h0.4 r270; M14-Top Assembly "6" at 26.888,10.025 h0.4 r270; M14-Top Assembly "5" at 26.888,9.375 h0.4 r270; M14-Top Assembly "4" at 26.888,8.725 h0.4 r270; M14-Top Assembly "7" at 26.037,8.7 h0.4 r270; M14-Top Assembly "3" at 25.088,8.7 h0.4 r270; M14-Top Assembly "2" at 25.088,9.35 h0.4 r270; M14-Top Assembly "1" at 25.088,9.975 h0.4 r270
T2: M14-Top Assembly "8" at 36.725,9.65 h0.4 r270; M14-Top Assembly "6" at 37.65,10.025 h0.4 r270; M14-Top Assembly "5" at 37.65,9.375 h0.4 r270; M14-Top Assembly "4" at 37.65,8.725 h0.4 r270; M14-Top Assembly "7" at 36.8,8.7 h0.4 r270; M14-Top Assembly "3" at 35.85,8.7 h0.4 r270; M14-Top Assembly "2" at 35.85,9.35 h0.4 r270; M14-Top Assembly "1" at 35.85,9.975 h0.4 r270
T3: Top Overlay "1" at 11.95,10.425 h1.5 r90; Top Overlay "3" at 18.075,10.275 h1.5 r90; Top Overlay "8" at 11.4,15.8 h1.5 r90; Top Overlay "7" at 18.6,15.8 h1.5 r90; M14-Top Assembly "1" at 13.1,10.575 h1.3 r90; M14-Top Assembly "2" at 14.95,10.45 h1.3 r90; M14-Top Assembly "3" at 16.8,10.45 h1.3 r90; M14-Top Assembly "7" at 18.075,13.9 h1.3 r90; M14-Top Assembly "4" at 16.8,17.325 h1.3 r90; M14-Top Assembly "5" at 14.925,17.35 h1.3 r90; M14-Top Assembly "6" at 13.075,17.35 h1.3 r90; M14-Top Assembly "8" at 11.825,13.9 h1.3 r90
T4: Top Overlay "7" at 18.6,15.8 h1.5 r90; Top Overlay "8" at 11.4,15.8 h1.5 r90; Top Overlay "3" at 18.075,10.275 h1.5 r90; Top Overlay "1" at 11.95,10.425 h1.5 r90; M14-Top Assembly "8" at 11.825,13.9 h1.3 r90; M14-Top Assembly "6" at 13.075,17.35 h1.3 r90; M14-Top Assembly "5" at 14.925,17.35 h1.3 r90; M14-Top Assembly "4" at 16.8,17.325 h1.3 r90; M14-Top Assembly "7" at 18.075,13.9 h1.3 r90; M14-Top Assembly "3" at 16.8,10.45 h1.3 r90; M14-Top Assembly "2" at 14.95,10.45 h1.3 r90; M14-Top Assembly "1" at 13.1,10.575 h1.3 r90
T5: Top Overlay "1" at 27.225,16.075 h1.5; M14-Top Assembly "2" at 25.6,15.95 h0.75; M14-Top Assembly "3" at 24.625,15.925 h0.75; M14-Top Assembly "1" at 26.6,15.9 h0.75; M14-Top Assembly "6" at 26.525,13.575 h0.75; M14-Top Assembly "5" at 25.55,13.575 h0.75; M14-Top Assembly "4" at 24.6,13.575 h0.75
T6: Top Overlay "1" at 35.125,13.225 h1.5; M14-Top Assembly "2" at 37.05,13.575 h0.75; M14-Top Assembly "3" at 37.98,13.57 h0.75; M14-Top Assembly "1" at 36.15,13.575 h0.75; M14-Top Assembly "6" at 36.1,15.925 h0.75; M14-Top Assembly "5" at 37.05,15.925 h0.75; M14-Top Assembly "4" at 37.98,15.91 h0.75
T7: M14-Top Assembly "8" at 14.875,38.5 h0.4 r90; M14-Top Assembly "6" at 13.95,38.125 h0.4 r90; M14-Top Assembly "5" at 13.95,38.775 h0.4 r90; M14-Top Assembly "4" at 13.95,39.425 h0.4 r90; M14-Top Assembly "7" at 14.8,39.45 h0.4 r90; M14-Top Assembly "3" at 15.75,39.45 h0.4 r90; M14-Top Assembly "2" at 15.75,38.8 h0.4 r90; M14-Top Assembly "1" at 15.75,38.175 h0.4 r90
T8: M14-Top Assembly "8" at 24.8,39.025 h0.4 r180; M14-Top Assembly "6" at 25.175,38.1 h0.4 r180; M14-Top Assembly "5" at 24.525,38.1 h0.4 r180; M14-Top Assembly "4" at 23.875,38.1 h0.4 r180; M14-Top Assembly "7" at 23.85,38.95 h0.4 r180; M14-Top Assembly "3" at 23.85,39.9 h0.4 r180; M14-Top Assembly "2" at 24.5,39.9 h0.4 r180; M14-Top Assembly "1" at 25.125,39.9 h0.4 r180
T9: M14-Top Assembly "8" at 25.95,49.1 h0.4 r270; M14-Top Assembly "6" at 26.875,49.475 h0.4 r270; M14-Top Assembly "5" at 26.875,48.825 h0.4 r270; M14-Top Assembly "4" at 26.875,48.175 h0.4 r270; M14-Top Assembly "7" at 26.025,48.15 h0.4 r270; M14-Top Assembly "3" at 25.075,48.15 h0.4 r270; M14-Top Assembly "2" at 25.075,48.8 h0.4 r270; M14-Top Assembly "1" at 25.075,49.425 h0.4 r270
T10: M14-Top Assembly "8" at 35.395,62.525 h0.4 r270; M14-Top Assembly "6" at 36.32,62.9 h0.4 r270; M14-Top Assembly "5" at 36.32,62.25 h0.4 r270; M14-Top Assembly "4" at 36.32,61.6 h0.4 r270; M14-Top Assembly "7" at 35.47,61.575 h0.4 r270; M14-Top Assembly "3" at 34.52,61.575 h0.4 r270; M14-Top Assembly "2" at 34.52,62.225 h0.4 r270; M14-Top Assembly "1" at 34.52,62.85 h0.4 r270
T11: M14-Top Assembly "8" at 16.538,62.6 h0.4 r270; M14-Top Assembly "6" at 17.462,62.975 h0.4 r270; M14-Top Assembly "5" at 17.462,62.325 h0.4 r270; M14-Top Assembly "4" at 17.462,61.675 h0.4 r270; M14-Top Assembly "7" at 16.612,61.65 h0.4 r270; M14-Top Assembly "3" at 15.663,61.65 h0.4 r270; M14-Top Assembly "2" at 15.663,62.3 h0.4 r270; M14-Top Assembly "1" at 15.663,62.925 h0.4 r270
U1: Top Overlay "1" at 19.025,41.85 h1.5; M14-Top Assembly "4" at 16.015,44.43 h0.75 r90; M14-Top Assembly "5" at 16,43.5 h0.75 r90; M14-Top Assembly "6" at 16,42.55 h0.75 r90; M14-Top Assembly "1" at 18.35,42.6 h0.75 r90; M14-Top Assembly "3" at 18.355,44.43 h0.75 r90; M14-Top Assembly "2" at 18.35,43.5 h0.75 r90
U2: M14-Top Assembly "K" at 35.725,47.8 h0.45 r90
U3: Top Overlay "1" at 17.875,80.075 h1.5; M14-Top Assembly "1" at 18.389,79.854 h1.2; M14-Top Assembly "16" at 25.614,79.879 h1.2; M14-Top Assembly "17" at 29.289,82.479 h1.2 r90; M14-Top Assembly "32" at 29.239,89.954 h1.2 r90; M14-Top Assembly "33" at 25.75,93.15 h1.2; M14-Top Assembly "48" at 17.925,92.95 h1.2; M14-Top Assembly "49" at 14.975,90.175 h1.2; M14-Top Assembly "64" at 14.95,82.8 h1.2
U4: Top Overlay "1" at 39.75,101.75 h1.5
U5: Top Overlay "1" at 31.2,105.175 h1.5
U6: Top Overlay "1" at 8.55,122.275 h1.5
U7: M14-Top Assembly "K" at 35.91,123.525 h0.45
U9: M14-Top Assembly "A1" at 32.28,133.575 h0.75 r90
U10: Top Overlay "1" at 50.83,134.25 h1.5 r90
U11: Top Overlay "1" at 18.35,140.7 h1.5; M14-Top Assembly "4" at 15.775,138.375 h0.75; M14-Top Assembly "5" at 16.75,138.375 h0.75; M14-Top Assembly "6" at 17.7,138.375 h0.75; M14-Top Assembly "1" at 17.725,140.725 h0.75; M14-Top Assembly "3" at 15.8,140.725 h0.75; M14-Top Assembly "2" at 16.75,140.725 h0.75
U12: M14-Top Assembly "K" at 13.75,142.15 h1
U14: M14-Top Assembly "1" at 44.1,143.85 h0.75; M14-Top Assembly "2" at 45.25,143.85 h0.75
U15: Top Overlay "1" at 40.95,144.3 h1.3; M14-Top Assembly "1" at 41.675,144.65 h0.5; M14-Top Assembly "2" at 42.15,144.65 h0.5; M14-Top Assembly "3" at 42.65,144.65 h0.5; M14-Top Assembly "4" at 42.64,145.833 h0.5; M14-Top Assembly "5" at 42.15,145.825 h0.5; M14-Top Assembly "6" at 41.65,145.825 h0.5
X1: M14-Top Assembly "4" at 36.28,128.525 h0.6 r90; M14-Top Assembly "3" at 36.28,130.125 h0.6 r90; M14-Top Assembly "2" at 37.405,130.125 h0.6 r90; M14-Top Assembly "1" at 37.405,128.575 h0.6 r90
X2: M15-Bottom Assembly "4" at 20.089,86.079 h0.5 r180; M15-Bottom Assembly "3" at 21.364,86.079 h0.5 r180; M15-Bottom Assembly "2" at 21.364,87.054 h0.5 r180; M15-Bottom Assembly "1" at 20.114,87.054 h0.5 r180